# Altium PCB 400151.PcbDoc (part 1 of 2)
Units mil, origin at the board's own origin, x right, y up, seen from the top; angles counter-clockwise.
Board outline 2639.89 x 2761.94 mil, 4 copper layers (Top Layer, Mid-Layer 1, Mid-Layer 2, Bottom Layer), stack 61.6 mil thick; 144 components, 111 nets, 444 pads, 265 vias.
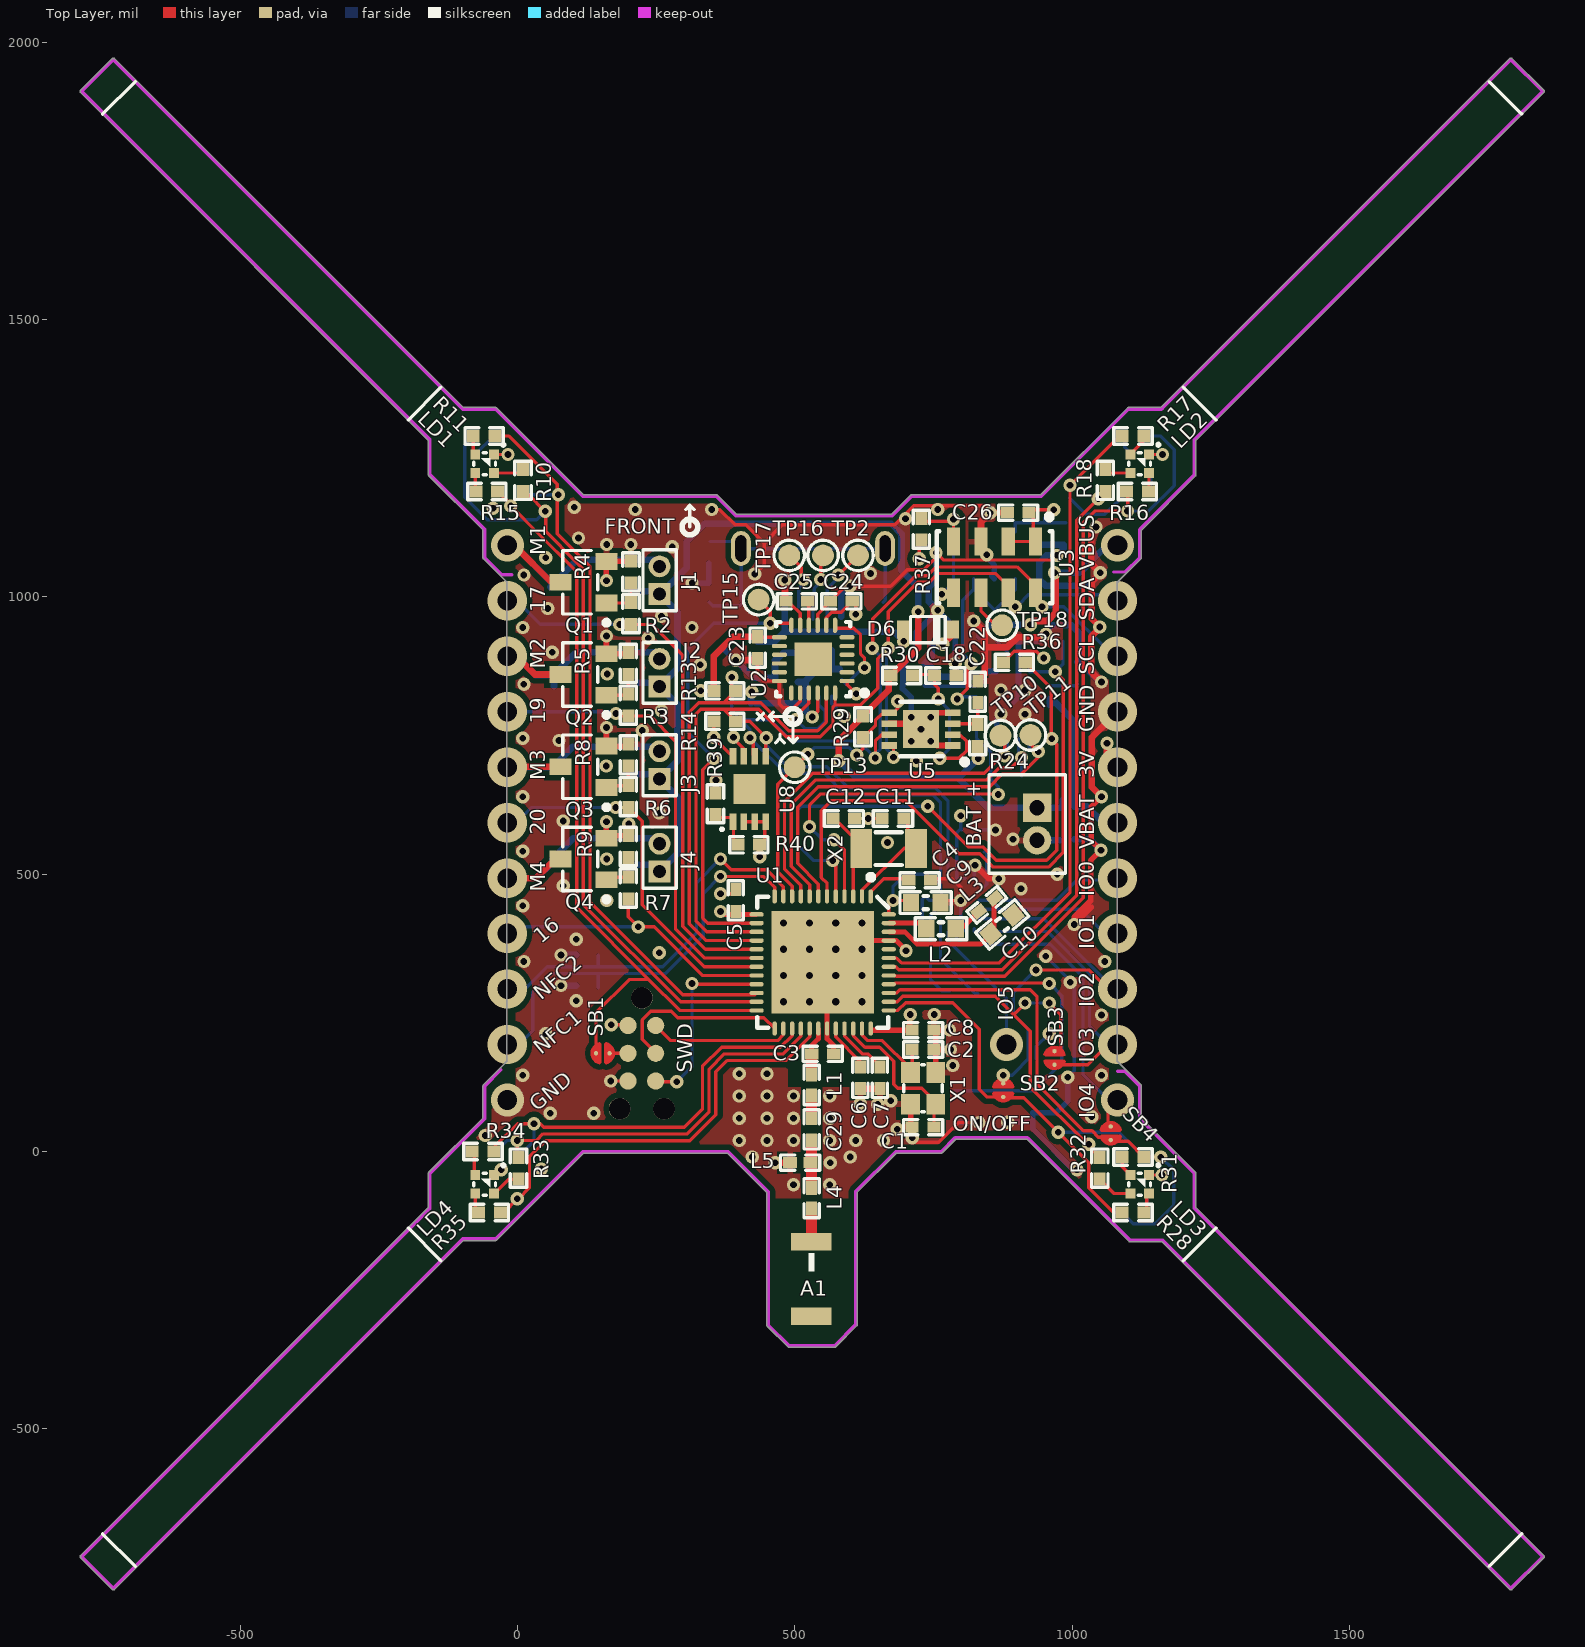
[diagram p0: Top Layer view]
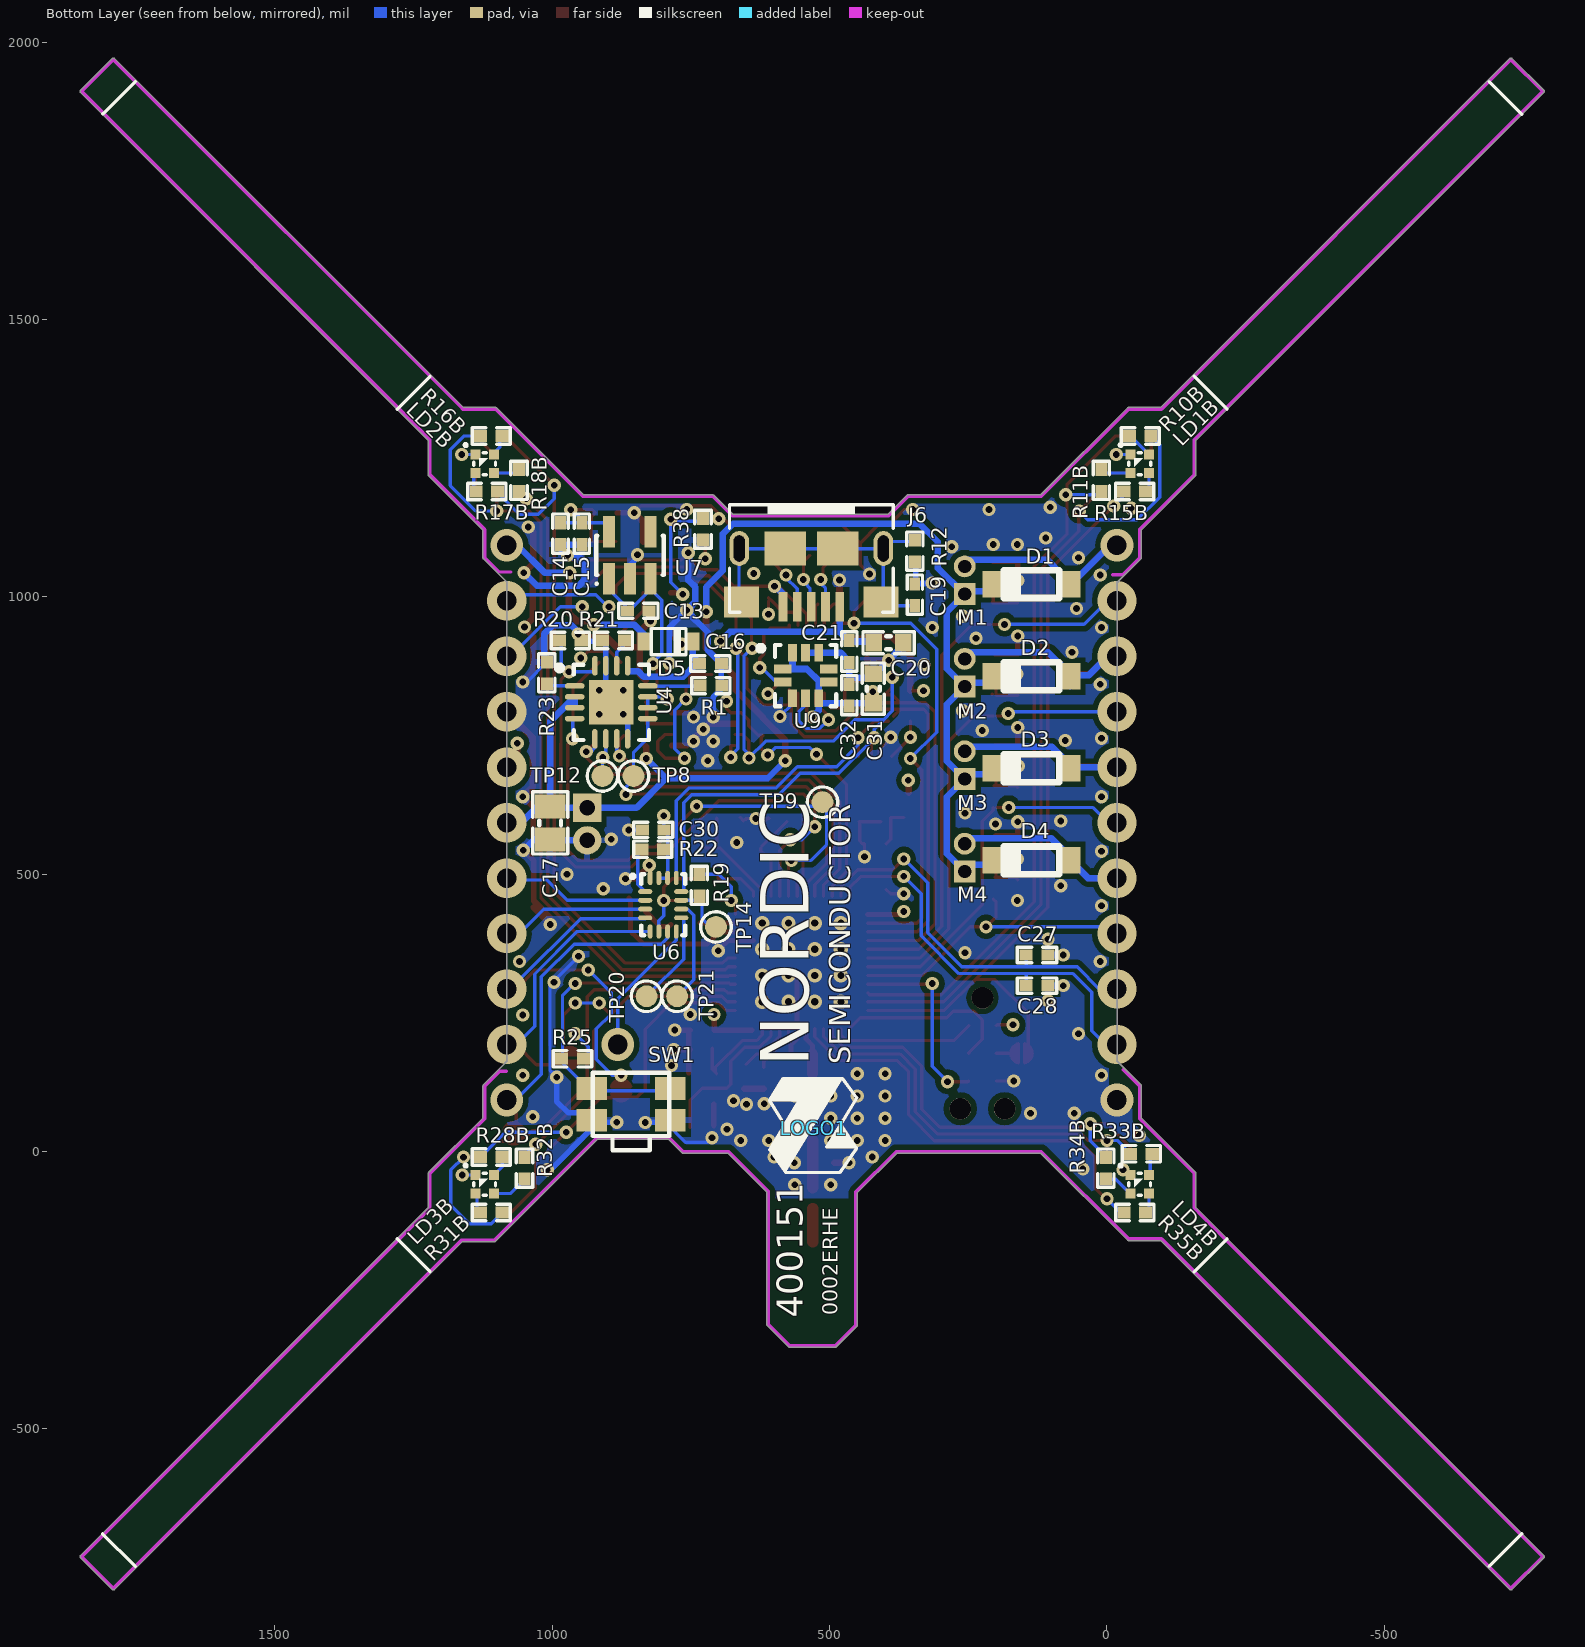
[diagram p1: Bottom Layer view, seen from below]
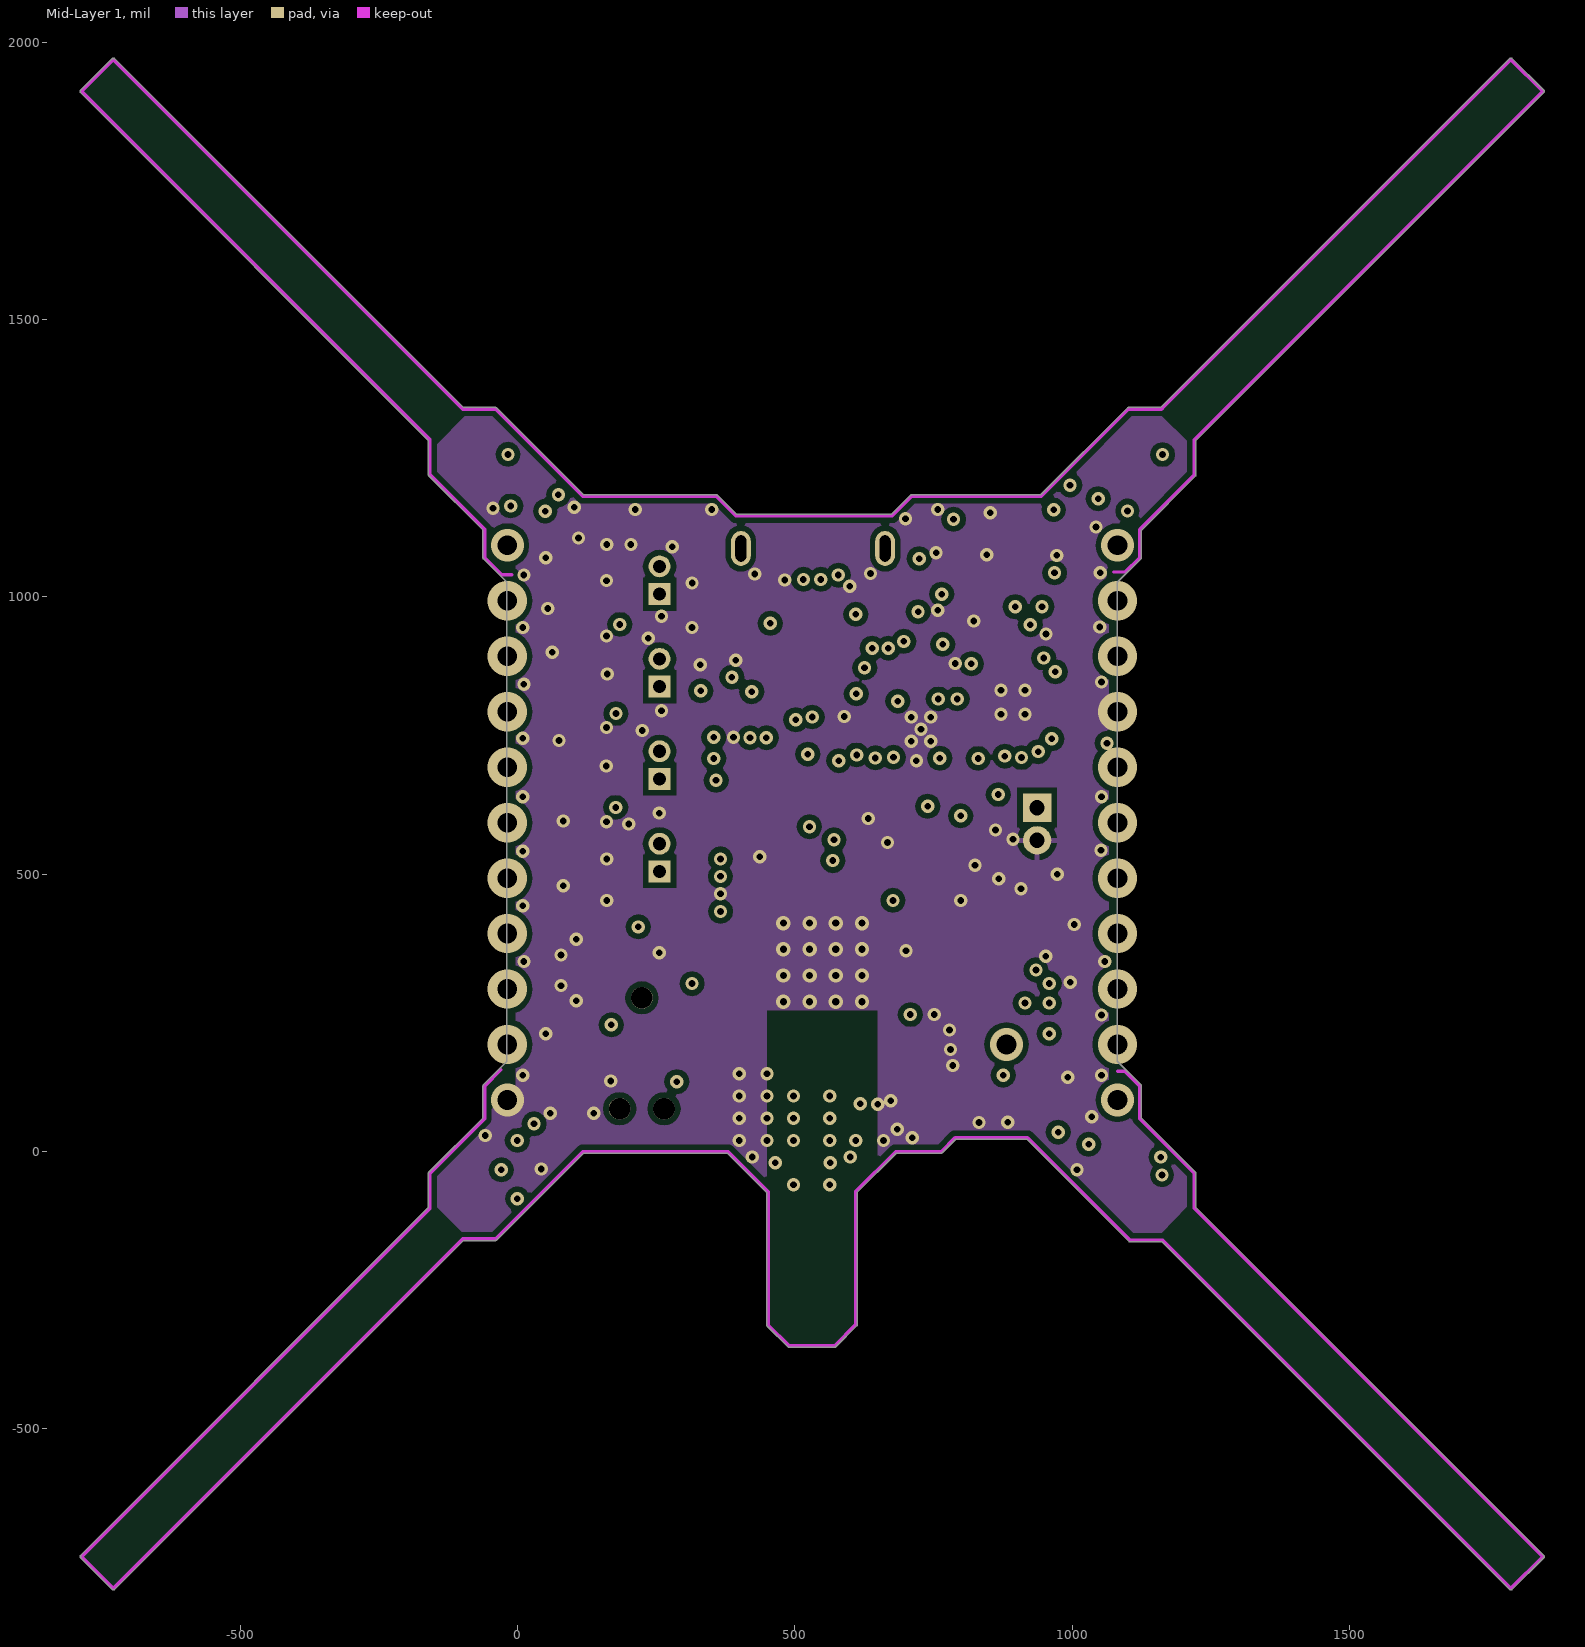
[diagram p2: Mid-Layer 1]
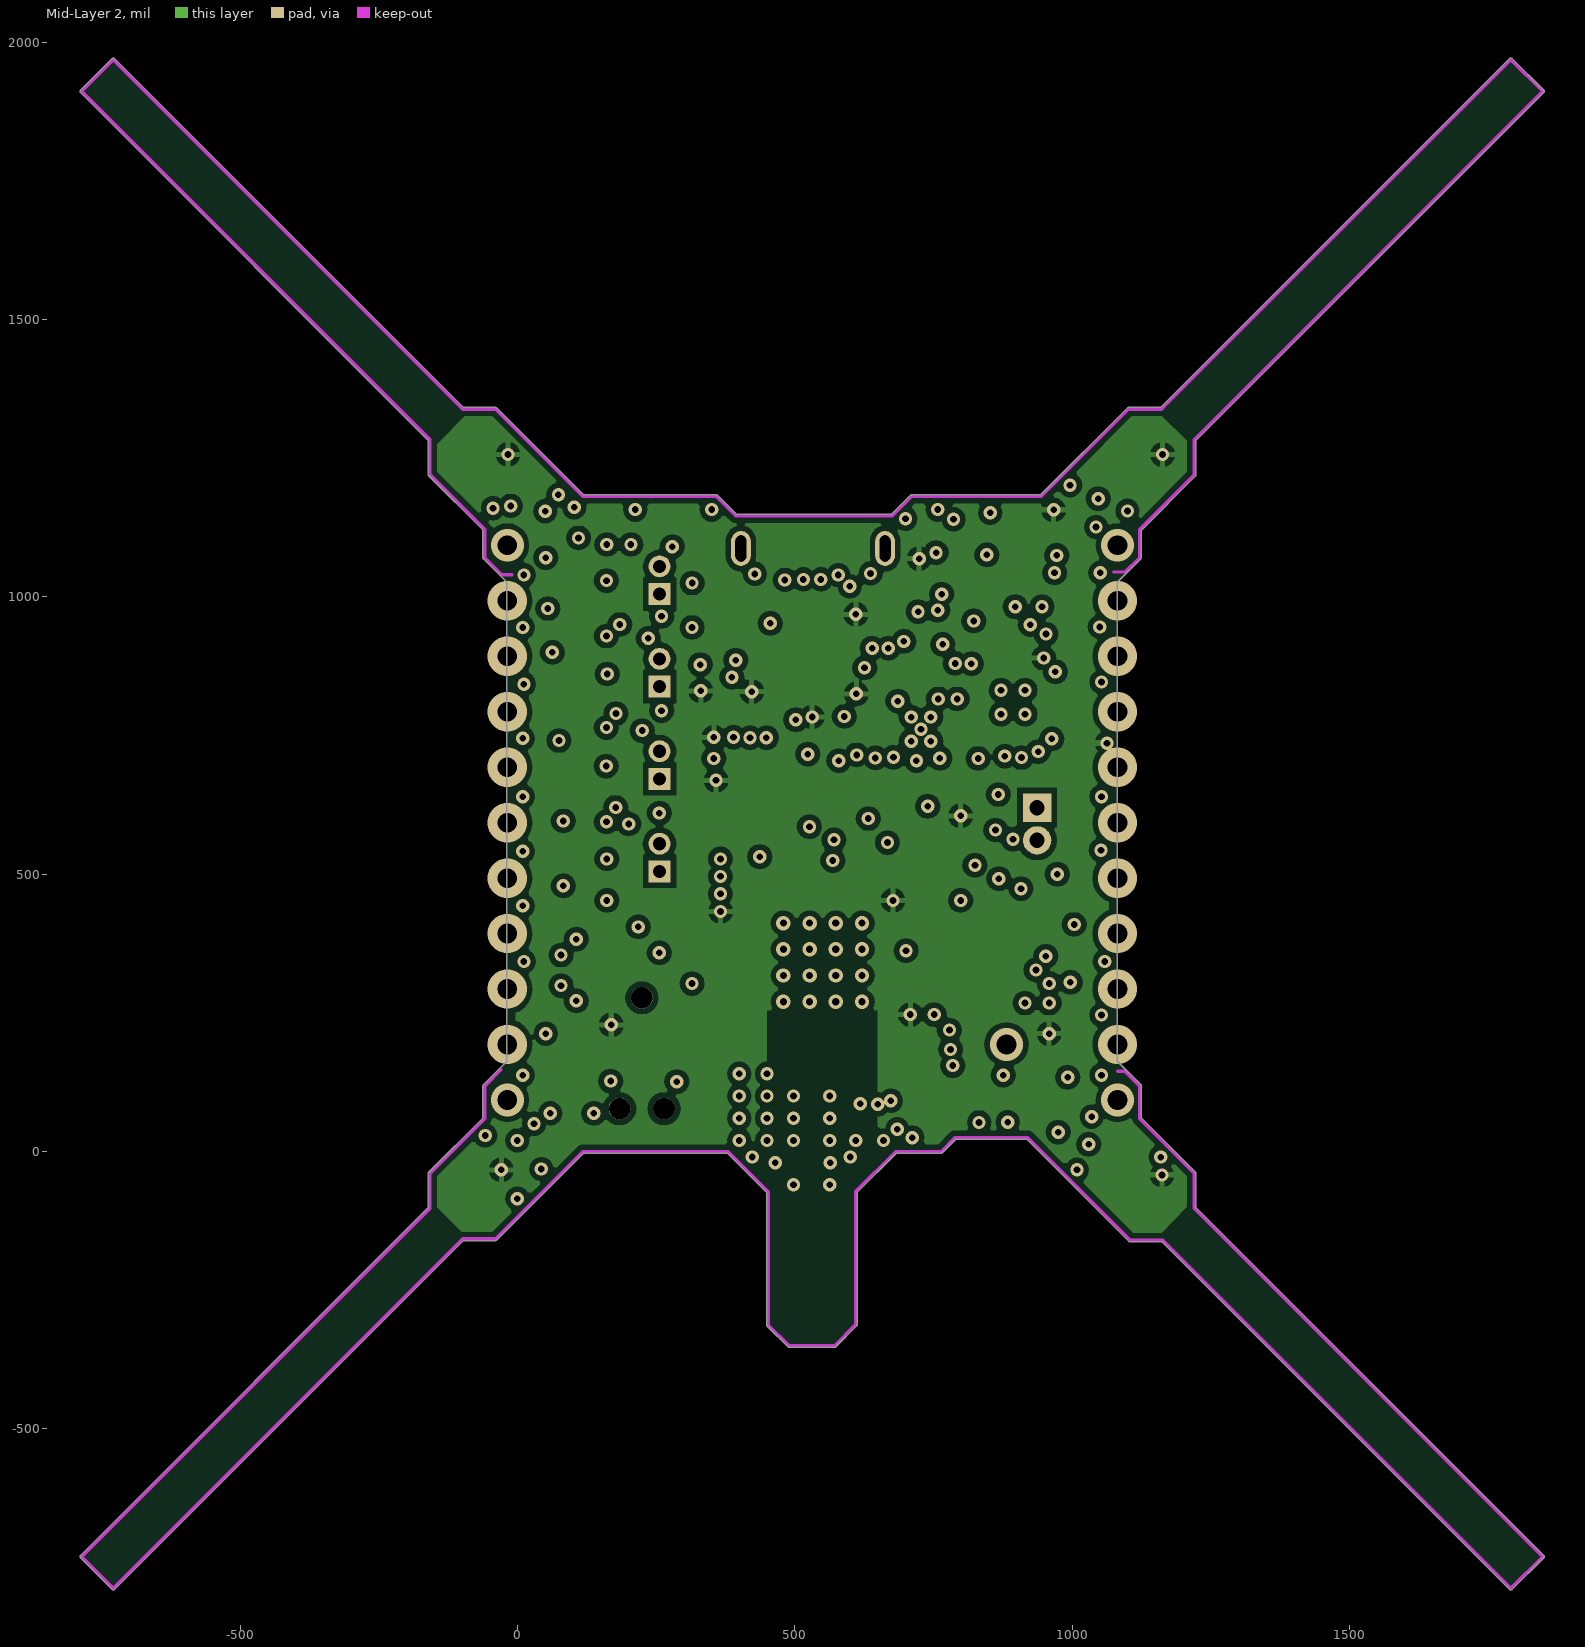
[diagram p3: Mid-Layer 2]
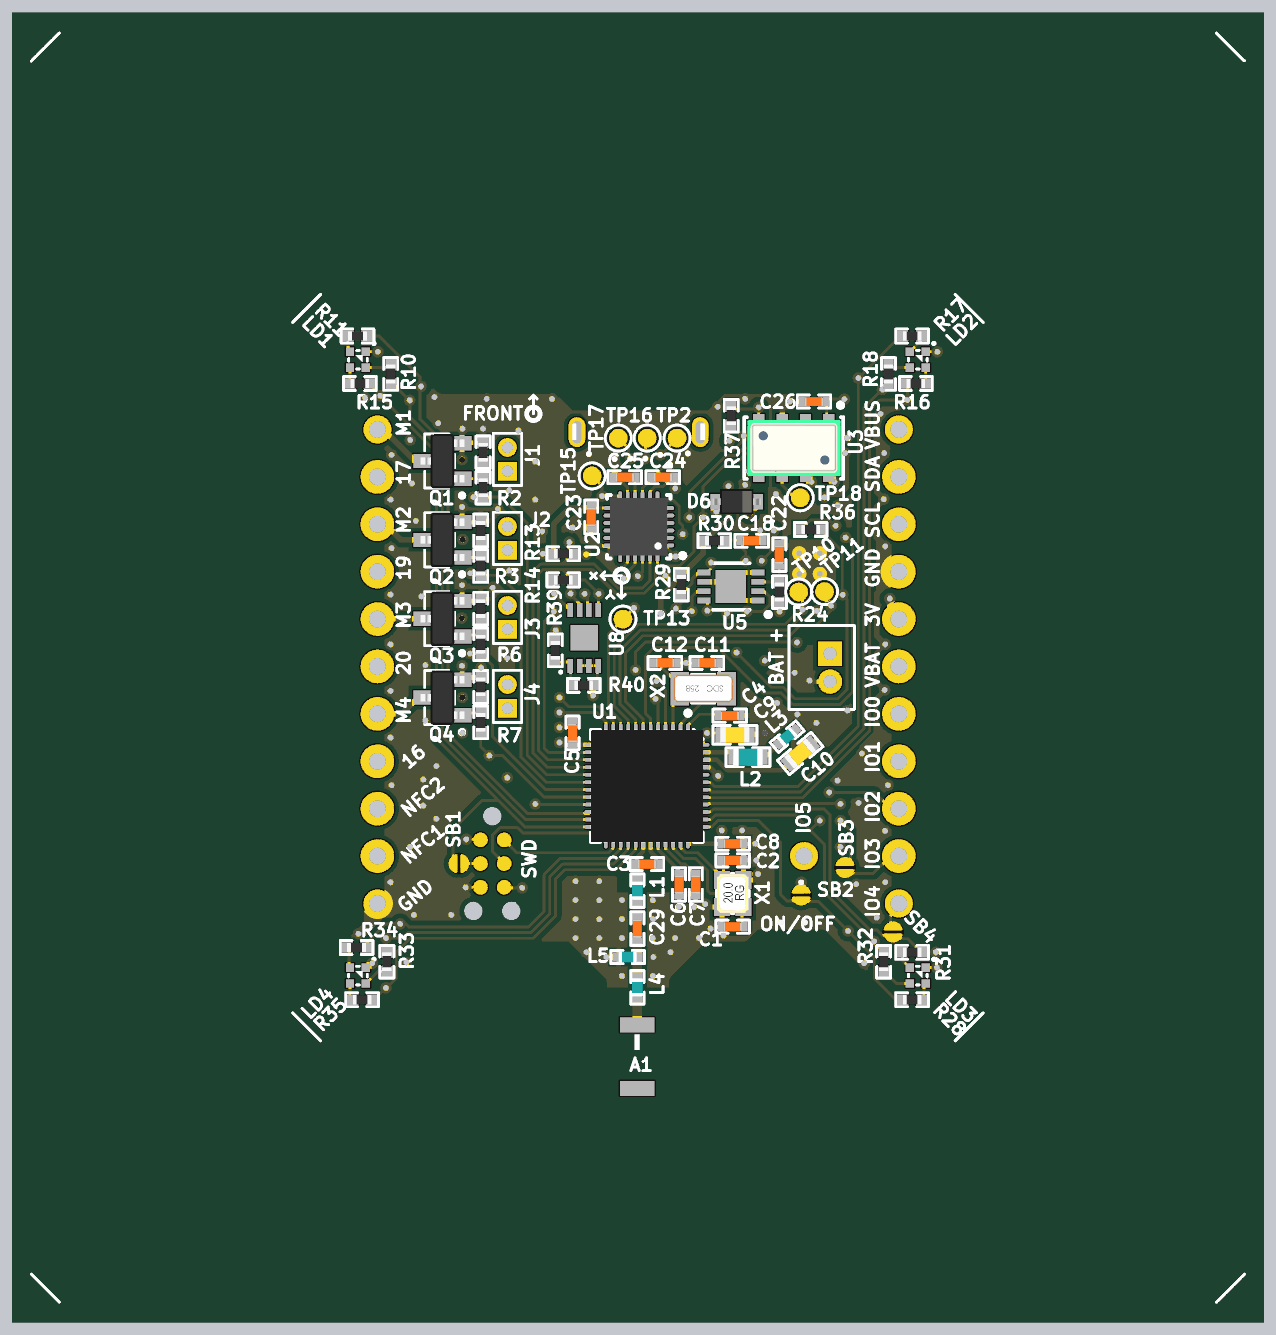
[diagram p5: 3D render of the assembled board from above, using the file's embedded part models]
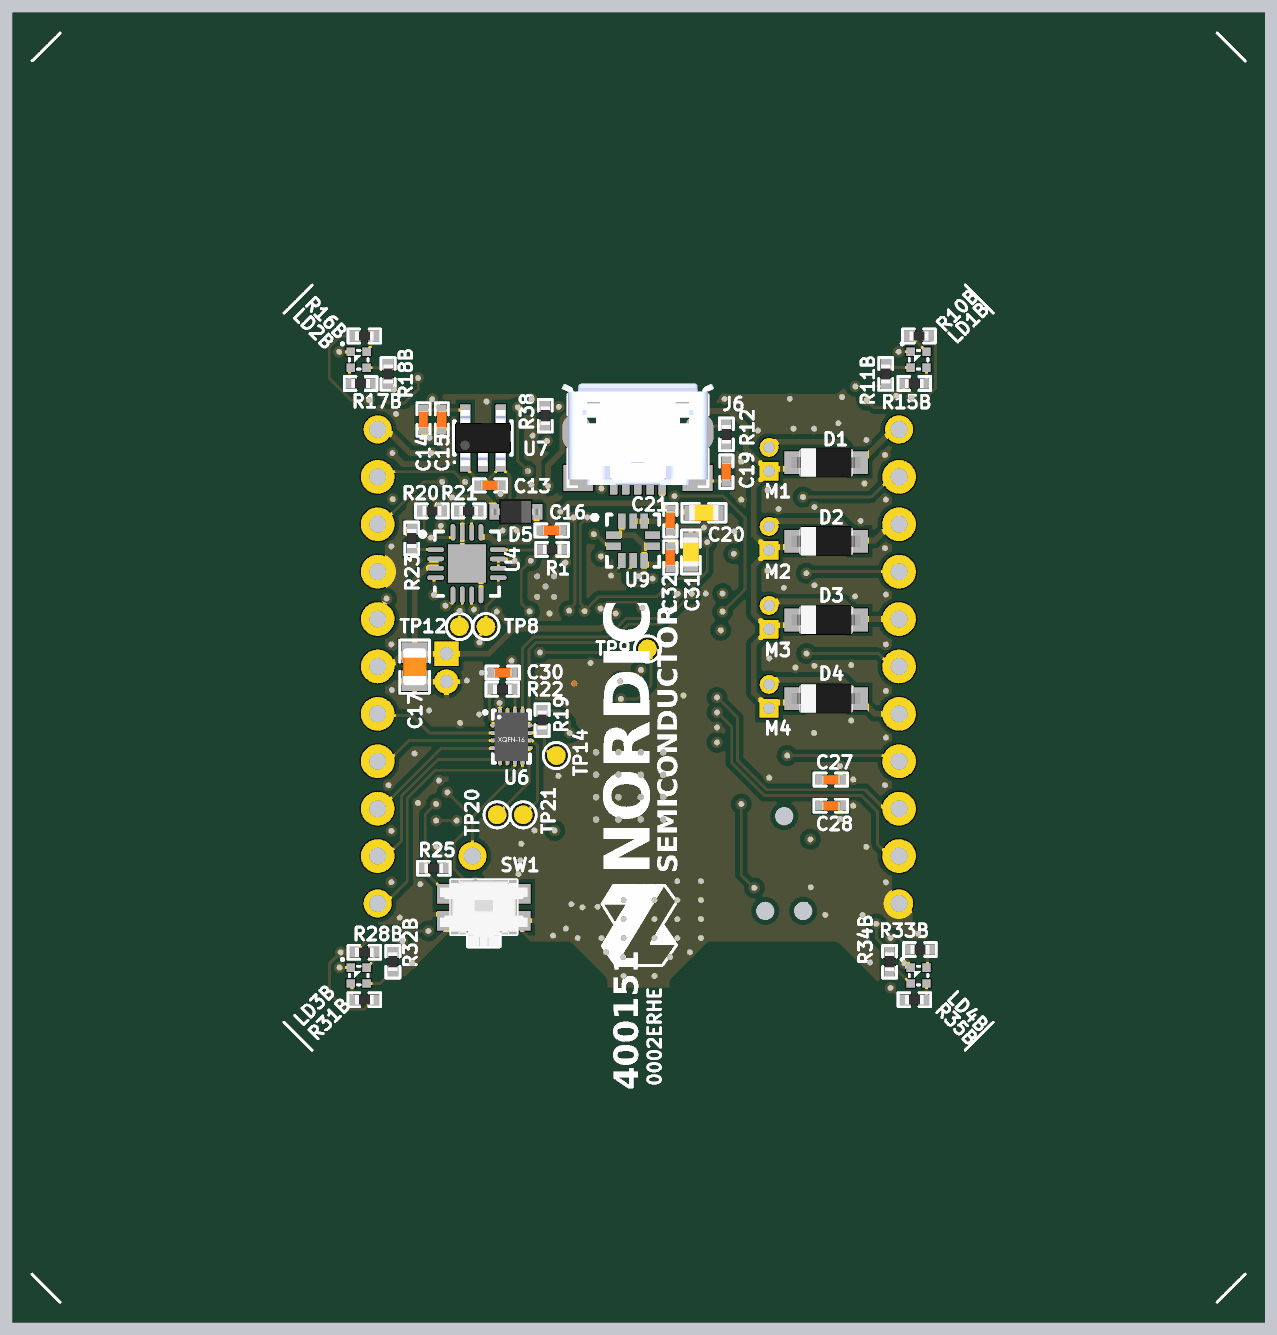
[diagram p6: 3D render of the assembled board from below, using the file's embedded part models]

## Layer stack, top to bottom
Top Solder: solder mask 0.4, Solder Resist, Dk 3.5
Top Layer: signal copper 1.4
Dielectric1: prepreg 9, FR-4, Dk 4.8
Mid-Layer 1: signal copper 1.4
Dielectric2: core 38, FR-4, Dk 4.8
Mid-Layer 2: signal copper 1.4
Dielectric3: prepreg 9, FR-4, Dk 4.8
Bottom Layer: signal copper 1.4
Bottom Solder: solder mask 0.4, Solder Resist, Dk 3.5

## Board outline
-787.55,-732.46 cw(c-785.43,-730.32) -787.57,-728.18 -160.5,-101.11 -160.5,-39.37 cw(c-157.48,-39.37) -159.6,-37.23 -159.61,-37.24 -62.07,60.3 -62.07,118.11 cw(c-59.06,118.11) -61.18,120.25 -61.19,120.24 -18.76,162.67 -18.76,1026.31 -61.19,1068.73 -61.18,1068.72 cw(c-59.06,1070.87) -62.07,1070.87 -62.07,1120.8 -159.61,1218.34 -159.6,1218.33 cw(c-157.48,1220.47) -160.5,1220.47 -160.5,1282.22 -787.55,1909.27 cw(c-785.43,1911.42) -787.57,1913.55 -730.48,1970.64 cw(c-728.35,1968.5) -726.2,1970.63 -726.21,1970.64 ccw(c-728.35,1968.5) -730.49,1970.63 -726.21,1970.64 -97.18,1341.6 -39.37,1341.6 cw(c-39.37,1338.58) -37.23,1340.7 -37.24,1340.71 119.36,1184.12 358.58,1184.12 cw(c358.58,1181.1) 360.72,1183.22 360.71,1183.23 394.93,1149.01 674.75,1149.01 708.97,1183.23 708.96,1183.22 cw(c711.1,1181.1) 711.1,1184.12 943.63,1184.12 1100.23,1340.71 1100.22,1340.7 cw(c1102.36,1338.58) 1102.36,1341.6 1160.17,1341.6 1789.21,1970.64 cw(c1791.34,1968.5) 1793.48,1970.63 1793.47,1970.64 1850.56,1913.55 1850.55,1913.56 cw(c1848.43,1911.42) 1851.44,1911.42 cw(c1848.43,1911.42) 1850.55,1909.27 1850.56,1909.29 1223.49,1282.22 1223.49,1220 cw(c1220.47,1220) 1222.59,1217.86 1222.6,1217.87 1125.06,1120.33 1125.06,1070.87 cw(c1122.05,1070.87) 1124.17,1068.72 1124.18,1068.73 1081.76,1026.31 1081.76,162.67 1124.18,120.24 1124.17,120.25 cw(c1122.05,118.11) 1125.06,118.11 1125.06,60.3 1222.6,-37.24 1222.59,-37.23 cw(c1220.47,-39.37) 1223.49,-39.37 1223.49,-101.11 1850.56,-728.18 1850.55,-728.17 cw(c1848.43,-730.32) 1851.44,-730.32 cw(c1848.43,-730.32) 1850.55,-732.46 1850.56,-732.45 1793.47,-789.53 cw(c1791.34,-787.4) 1789.2,-789.52 1789.21,-789.53 1162.69,-163.02 1104.88,-163.02 cw(c1104.88,-160) 1102.74,-162.12 1102.75,-162.13 918.63,21.98 790.25,21.98 766.13,-2.13 766.14,-2.12 cw(c764,0) 764,-3.02 683.25,-3.02 613.25,-73.01 613.25,-311.76 cw(c610.24,-311.76) 612.36,-313.91 612.37,-313.9 574.13,-352.13 574.14,-352.12 cw(c572,-350) 572,-353.02 490,-353.02 cw(c490,-350) 487.86,-352.12 487.87,-352.13 450.62,-314.89 450.63,-314.9 cw(c452.76,-312.76) 449.74,-312.76 449.74,-74 378.75,-3.02 119.36,-3.02 -37.24,-159.61 -37.23,-159.6 cw(c-39.37,-157.48) -39.37,-160.5 -97.18,-160.5 -726.21,-789.53 cw(c-728.35,-787.4) -730.49,-789.52 -730.48,-789.53 -787.57,-732.45 cw(c-785.43,-730.32)

## Design rules (kind name [scope] priority, off if disabled: settings)
Clearance ANT_Clerance [InNet('ANT')] p1: gap=5
Clearance Polygon_Clearance [(InNamedPolygon('Top_Layer-GND')) or (InNamedPolygon('Bottom_Layer-GND')) or (InNamedPolygon('Mid_Layer_1-GND')) or (InNamedPolygon('Mid_Layer_2-GND'))] p2: gap=10
Clearance [All] p3: gap=5
ComponentClearance [All] p1 off: gap=10 collisioncheckmode=3 verticalgap=10 showdistances=FALSE
DiffPairsRouting [All] p1: maxlimit=10 minlimit=5.91 mostfreqgap=10 toplayer_maxgap=5.91 toplayer_prefgap=5.91 toplayer_minwidth=15 toplayer_maxwidth=15 toplayer_prefwidth=15 midlayer1_mingap=10 midlayer1_minwidth=15 midlayer1_maxwidth=15 midlayer1_prefwidth=15 midlayer2_mingap=10 midlayer2_minwidth=15 midlayer2_maxwidth=15 midlayer2_prefwidth=15 bottomlayer_maxgap=5.91 bottomlayer_prefgap=5.91 bottomlayer_minwidth=15 bottomlayer_maxwidth=15 bottomlayer_prefwidth=15 maxuncoupledlength=500
FabricationTestPointUsage TestPointUsage [All] p1: valid=0 allowmultiple=FALSE
FabricationTestpoint Testpoint [All] p1: side=3 testpointundercomponent=TRUE minsize=40 maxsize=100 preferedsize=60 minholesize=0 maxholesize=40 preferedholesize=32 testpointgrid=1 allowsidetop=TRUE allowsidebottom=TRUE usegrid=TRUE gridtolerance=0.01
Height [All] p1 off: minheight=0 maxheight=1000 prefheight=500
HoleSize [All] p1: absolutevalues=TRUE maxlimit=196.85 minlimit=12 maxpercent=80.000 minpercent=20.000
MinimumAnnularRing [All] p1 off: minimumring=6
PolygonConnect PolygonConnect_1 [isVia and innet(gnd)] p1: connectstyle=Direct reliefconductorwidth=10 reliefentries=4 polygonreliefangle="90 Angle" airgapwidth=10
PolygonConnect [All] p2: connectstyle=Relief reliefconductorwidth=10 reliefentries=4 polygonreliefangle="90 Angle" airgapwidth=10
RoutingVias [All] p1: holewidth=12 width=24 viastyle="Through Hole" minholewidth=12 minwidth=24 maxholewidth=28 maxwidth=50
SilkToSolderMaskClearance SilkscreenOverComponentPads [IsPad] p1: minsilkscreentomaskgap=10 clearancetoexposedcopper=TRUE
SolderMaskExpansion [All] p1: expansion=3
Width Width_VBUS [InNet('VBUS')] p1: maxlimit=12 minlimit=12 preferedwidth=12
Width Width_VBAT [InNet('V_BAT')] p2: maxlimit=12 minlimit=12 preferedwidth=12
Width [All] p3: maxlimit=100 minlimit=6 preferedwidth=6
23 further rules are at their usual default settings.

## Classes and differential pairs
component class pca20017_power: BAT C13 C14 C15 C16 C17 D5 D6 R1 R20 R21 R23 R36 TP8 TP9 TP10 TP11 TP12 U4 U7
component class pca20017_motors: D1 D2 D3 D4 J1 J2 J3 J4 Q1 Q2 Q3 Q4 R2 R3 R4 R5 R6 R7 R8 R9
component class pca20017_sensors: C18 C22 C23 C24 C25 C26 C30 C31 C32 R19 R22 R24 R29 R30 R37 R38 R39 R40 SB2 SB3 SB4 TP13 TP14 TP15 TP18 TP20 TP21 U2 U3 U5 U6 U8 U9
component class pca20017_misc: C19 C20 C21 C27 C28 J6 LD1 LD1B LD2 LD2B LD3 LD3B LD4 LD4B LOGO1 R10 R10B R11 R11B R12 R13 R14 R15 R15B R16 R16B R17 R17B R18 R18B R25 R28 R28B R31 R31B R32 R32B R33 R33B R34 R34B R35 R35B SB1 SW1 SWD TP2 TP16 TP17
component class pca20017_mcu: A1 C1 C2 C3 C4 C5 C6 C7 C8 C9 C10 C11 C12 C29 L1 L2 L3 L4 L5 U1 X1 X2

## Components (designator, comment, footprint, x,y, rotation, side; value= is the part's Value field where it differs from the comment)
A1 "2450AT18B100" 2450AT18B100 530,-230 r270 top